# Altium PCB JTAG-批量下载V06.PcbDoc (part 4 of 13)
Units mil, origin at the board's own origin, x right, y up, seen from the top; angles counter-clockwise.
Board outline 6380 x 5290 mil, 2 copper layers (Top Layer, Bottom Layer); 190 components, 238 nets, 1050 pads, 459 vias.
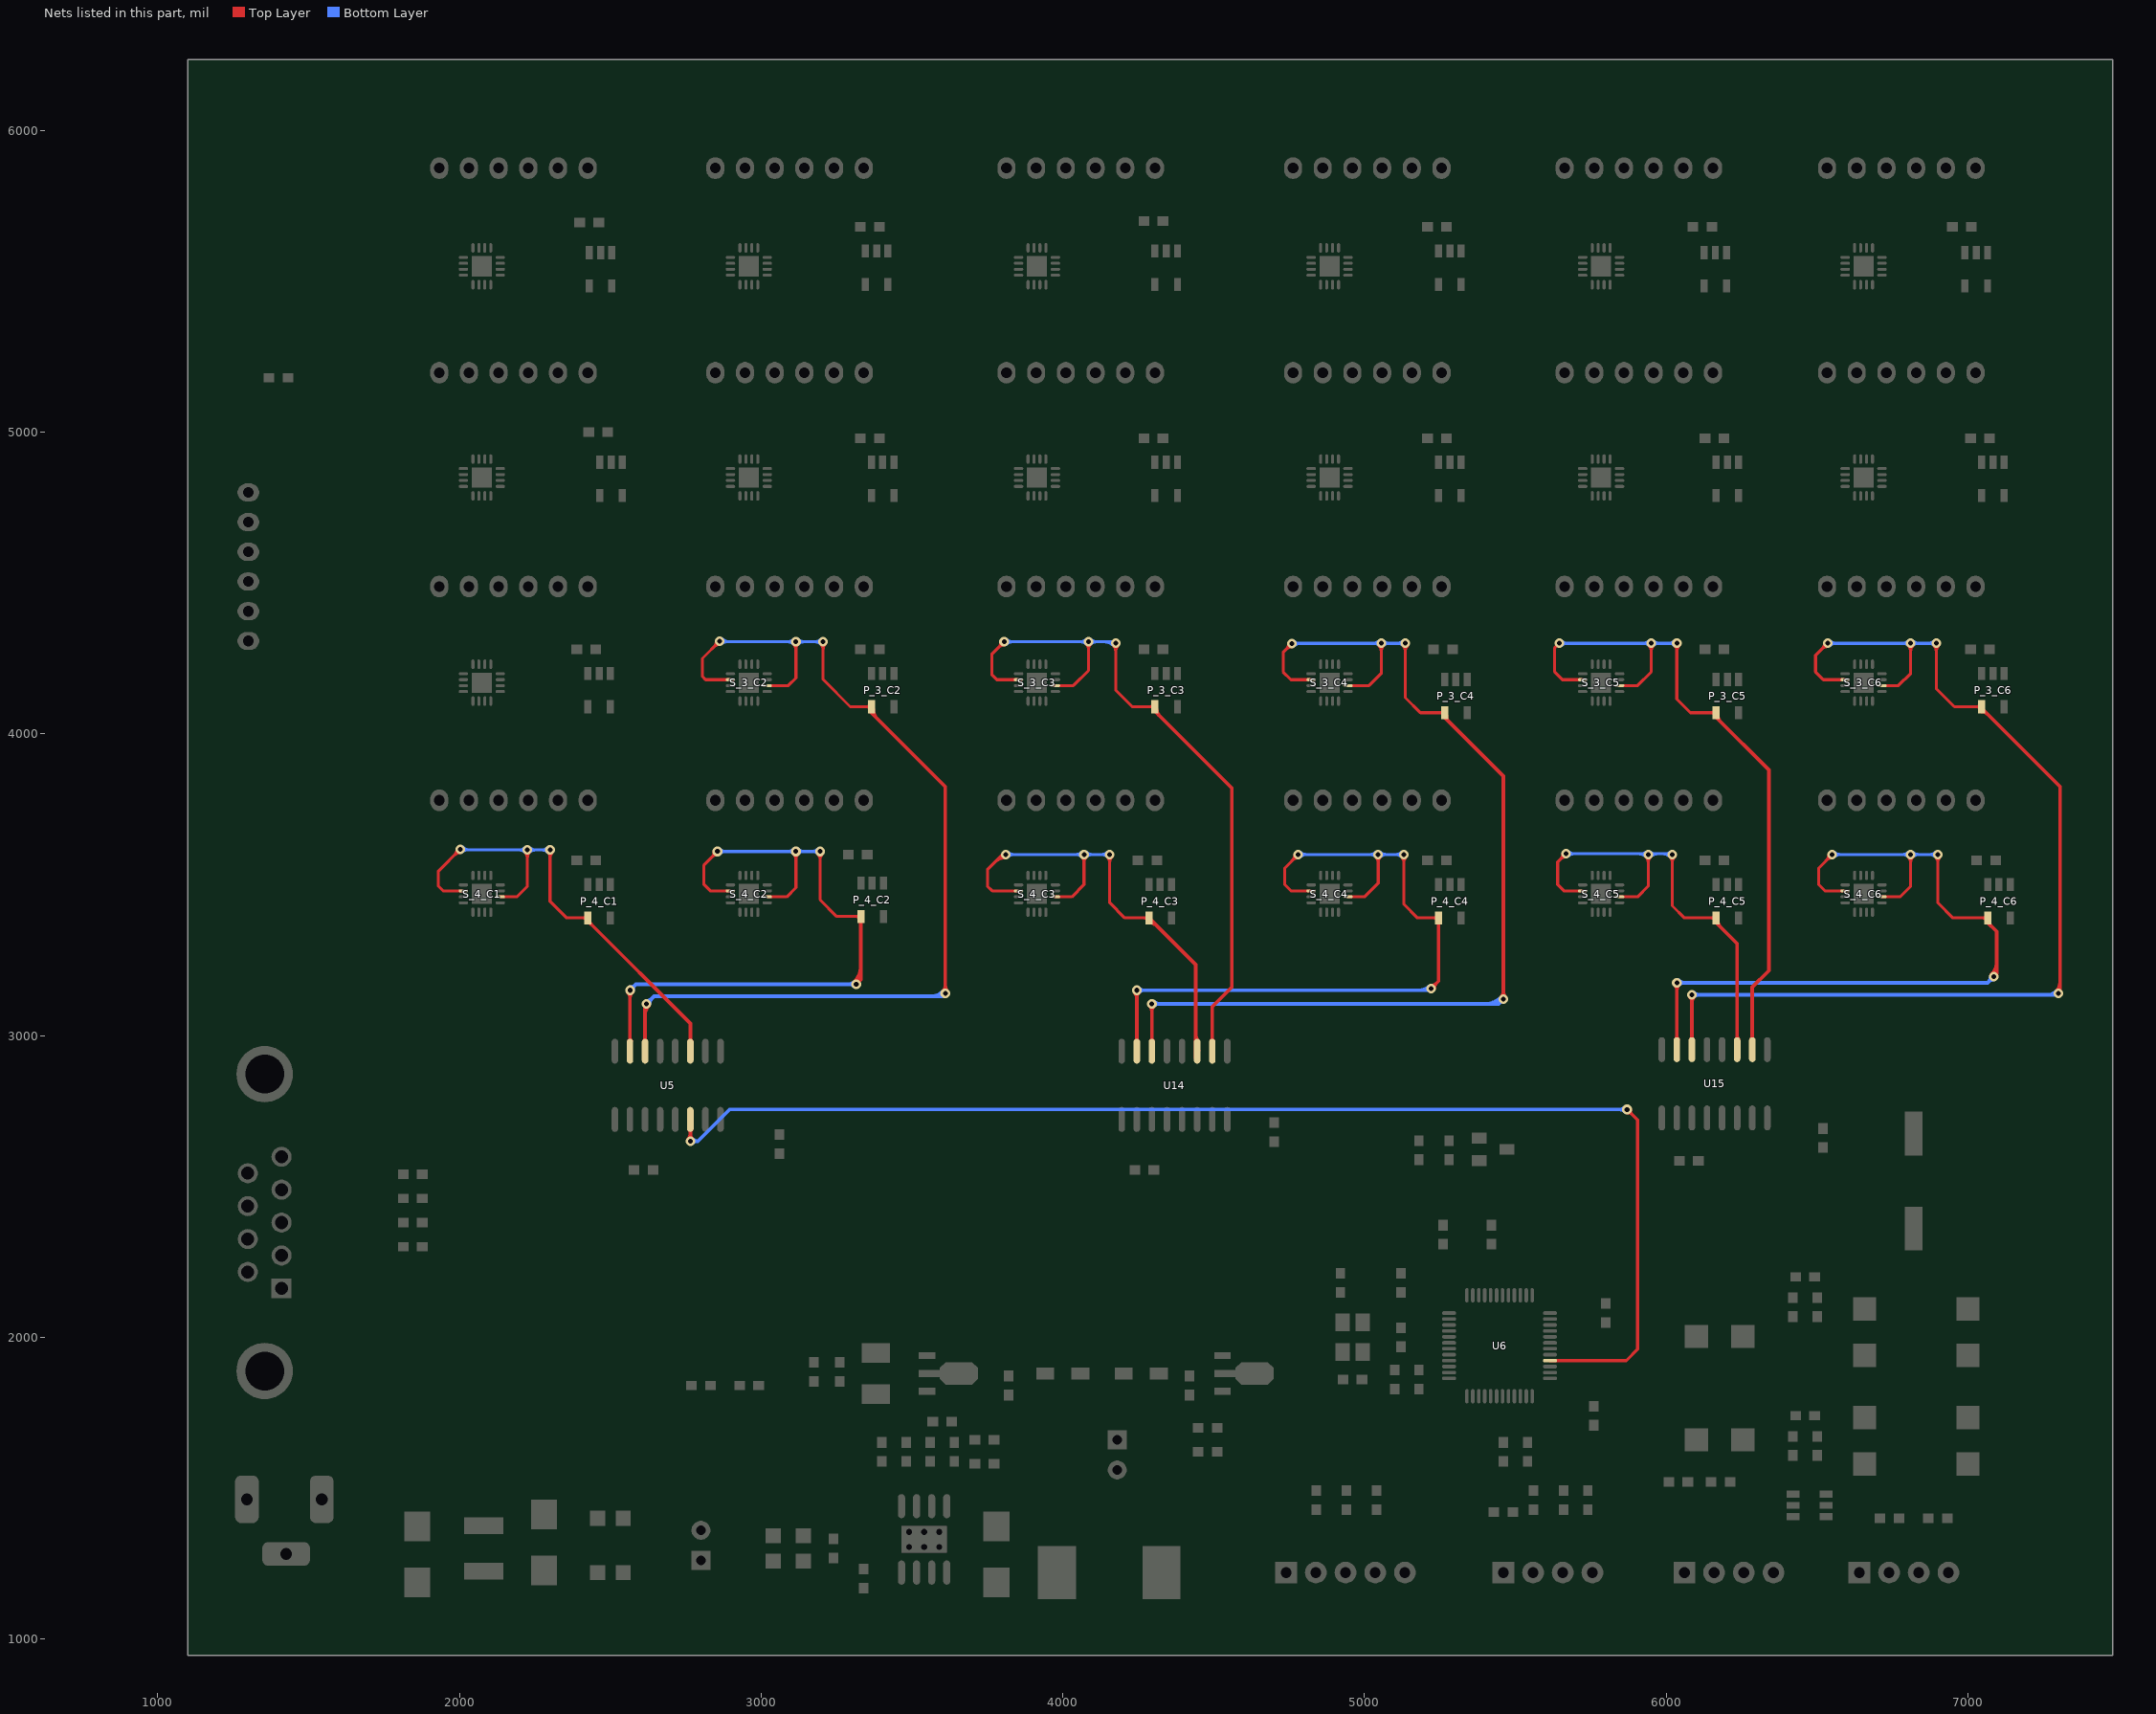
[diagram p4: the nets of this part, all layers, seen from the top]

## Via types
v1: diameter 32, hole 16, Top Layer to Bottom Layer, 347 vias
v2: diameter 50, hole 28, Top Layer to Bottom Layer, 63 vias
v3: diameter 40, hole 20, Top Layer to Bottom Layer, 49 vias

## Nets (pads, with @x,y where several pads share a name; then routed paths per layer and width w, separated by ;. In a path a pad name is that pad's centre, name@x,y a point inside that pad or via, vN(x,y) a via of type N, cw(c..) or ccw(c..) an arc to the next point about the centre after c; other vN are vias at no path point) (continued)
EN_3_C2: P_3_C2.4 S_3_C2.2 S_3_C2.10 U5.6 | length 4737.2
  Top Layer w10: v1(2862.5,4307.5) 2805,4250 2805,4190 2815.63,4179.37 S_3_C2.10@2897.95,4179.37 ; S_3_C2.2@3020,4159.69 3089.68,4159.69 3115,4185 v1(3115,4305) ; v1@3205,4300 3205,4180 3295.24,4089.76 P_3_C2.4@3365.2,4089.76 ; 2843.72,4288.72 ccw(c2824.94,4307.5) v1@2851.5,4307.5 ; 2843.72,4288.72 cw(c2862.5,4269.94) v1@2862.5,4296.5 ; 2843.72,4288.72 ccw(c2824.94,4307.5) v1@2851.5,4307.5 ; 2843.72,4288.72 cw(c2862.5,4269.94) v1@2862.5,4296.5 ; 2843.72,4288.72 ccw(c2824.94,4307.5) v1@2851.5,4307.5 ; 2843.72,4288.72 cw(c2862.5,4269.94) v1@2862.5,4296.5 ; v1@3107.22,4297.22 cw(c3088.44,4278.44) 3115,4278.44 ; v1@3107.22,4297.22 cw(c3088.44,4278.44) 3115,4278.44 ; v1@3107.22,4297.22 cw(c3088.44,4278.44) 3115,4278.44 ; 3115,4278.44 cw(c3141.56,4278.44) v1@3122.78,4297.22 ; 3115,4278.44 cw(c3141.56,4278.44) v1@3122.78,4297.22 ; 3115,4278.44 cw(c3141.56,4278.44) v1@3122.78,4297.22 ; v1@3197.22,4297.22 cw(c3178.44,4278.44) 3205,4278.44 ; v1@3197.22,4297.22 cw(c3178.44,4278.44) 3205,4278.44 ; v1@3197.22,4297.22 cw(c3178.44,4278.44) 3205,4278.44 ; 3205,4278.44 cw(c3231.56,4278.44) v1@3212.78,4297.22 ; 3205,4278.44 cw(c3231.56,4278.44) v1@3212.78,4297.22 ; 3205,4278.44 cw(c3231.56,4278.44) v1@3212.78,4297.22 ; 3348.75,4089.76 ccw(c3348.75,4106.21) P_3_C2.4@3360.38,4094.58 ; 3348.75,4089.76 cw(c3348.75,4073.32) P_3_C2.4@3360.38,4084.95 ; 3348.75,4089.76 ccw(c3348.75,4106.21) P_3_C2.4@3360.38,4094.58 ; 3348.75,4089.76 cw(c3348.75,4073.32) P_3_C2.4@3360.38,4084.95 ; 3348.75,4089.76 ccw(c3348.75,4106.21) P_3_C2.4@3360.38,4094.58 ; 3348.75,4089.76 cw(c3348.75,4073.32) P_3_C2.4@3360.38,4084.95
  Top Layer w12: U5.6@2615,2945 v1@2615,3100 ; P_3_C2.4@3365.2,4089.76 3365.2,4069.8 3610,3825 v1@3610,3129.59 ; U5.6@2611.59,2982.11 ccw(c2603.35,2990.35) 2615,2990.35 ; U5.6@2611.59,2982.11 ccw(c2603.35,2990.35) 2615,2990.35 ; U5.6@2611.59,2982.11 ccw(c2603.35,2990.35) 2615,2990.35 ; 2615,2990.35 ccw(c2626.65,2990.35) U5.6@2618.41,2982.11 ; 2615,2990.35 ccw(c2626.65,2990.35) U5.6@2618.41,2982.11 ; 2615,2990.35 ccw(c2626.65,2990.35) U5.6@2618.41,2982.11 ; 2615,3068.79 cw(c2656.21,3068.79) v1@2627.07,3097.93 ; 2615,3068.79 cw(c2656.21,3068.79) v1@2627.07,3097.93 ; 2615,3068.79 cw(c2656.21,3068.79) v1@2627.07,3097.93 ; P_3_C2.4@3371.01,4079.92 ccw(c3409.46,4079.92) 3382.27,4052.73 ; P_3_C2.4@3371.01,4079.92 ccw(c3409.46,4079.92) 3382.27,4052.73 ; P_3_C2.4@3371.01,4079.92 ccw(c3409.46,4079.92) 3382.27,4052.73 ; v1@3602.93,3147.07 ccw(c3585.86,3164.14) 3610,3164.14 ; v1@3602.93,3147.07 ccw(c3585.86,3164.14) 3610,3164.14 ; v1@3602.93,3147.07 ccw(c3585.86,3164.14) 3610,3164.14 ; 3610,3164.14 ccw(c3634.14,3164.14) v1@3617.07,3147.07 ; 3610,3164.14 ccw(c3634.14,3164.14) v1@3617.07,3147.07 ; 3610,3164.14 ccw(c3634.14,3164.14) v1@3617.07,3147.07
  Bottom Layer w10: v1@2865,4305 v1(3205,4305) ; 3088.44,4305 ccw(c3088.44,4331.56) 3107.22,4312.78 cw(c3088.44,4331.56) 3088.44,4305 ; 3088.44,4305 cw(c3088.44,4278.44) 3107.22,4297.22 ccw(c3088.44,4278.44) 3088.44,4305 ; 3141.56,4305 ccw(c3141.56,4278.44) 3122.78,4297.22 cw(c3141.56,4278.44) 3141.56,4305 ; 3141.56,4305 cw(c3141.56,4331.56) 3122.78,4312.78 ccw(c3141.56,4331.56) 3141.56,4305 ; 3178.44,4305 ccw(c3178.44,4331.56) 3197.22,4312.78 cw(c3178.44,4331.56) 3178.44,4305 ; 3178.44,4305 cw(c3178.44,4278.44) 3197.22,4297.22 ccw(c3178.44,4278.44) 3178.44,4305 ; v1@2870.28,4299.72 cw(c2883.02,4286.98) 2883.02,4305 ccw(c2883.02,4286.98) v1@2870.28,4299.72 ; v1@2870.28,4315.28 ccw(c2895.09,4340.09) 2895.09,4305 cw(c2895.09,4340.09) v1@2870.28,4315.28
  Bottom Layer w12: v1(2620,3105) 2645,3130 3600,3130 v1(3610,3140) ; v1@2620,3115 ccw(c2620,3139.14) 2637.07,3122.07 ; v1@2620,3115 ccw(c2620,3139.14) 2637.07,3122.07 ; v1@2620,3115 ccw(c2620,3139.14) 2637.07,3122.07 ; v1@2630,3105 cw(c2654.14,3105) 2637.07,3122.07 ; v1@2630,3105 cw(c2654.14,3105) 2637.07,3122.07 ; v1@2630,3105 cw(c2654.14,3105) 2637.07,3122.07 ; 3561.72,3130 ccw(c3561.72,3188.28) 3602.93,3147.07 cw(c3561.72,3188.28) 3561.72,3130 ; 3590.69,3130 ccw(c3590.69,3159.31) 3611.41,3138.59 cw(c3590.69,3159.31) 3590.69,3130
EN_3_C3: P_3_C3.4 S_3_C3.2 S_3_C3.10 U14.2 | length 3338.3
  Top Layer w10: v1(3805.11,4305.11) 3765,4265 3765,4195 3780.63,4179.37 S_3_C3.10@3852.95,4179.37 ; S_3_C3.2@3975,4159.69 4034.68,4159.69 4085,4210 v1(4085,4305) ; v1(4175,4300) 4175,4145 4230.24,4089.76 P_3_C3.4@4305.2,4089.76 ; 3786.33,4286.33 ccw(c3767.56,4305.11) v1@3794.11,4305.11 ; 3786.33,4286.33 cw(c3805.11,4267.56) v1@3805.11,4294.11 ; 3786.33,4286.33 ccw(c3767.56,4305.11) v1@3794.11,4305.11 ; 3786.33,4286.33 cw(c3805.11,4267.56) v1@3805.11,4294.11 ; 3786.33,4286.33 ccw(c3767.56,4305.11) v1@3794.11,4305.11 ; 3786.33,4286.33 cw(c3805.11,4267.56) v1@3805.11,4294.11 ; v1@4077.22,4297.22 cw(c4058.44,4278.44) 4085,4278.44 ; v1@4077.22,4297.22 cw(c4058.44,4278.44) 4085,4278.44 ; v1@4077.22,4297.22 cw(c4058.44,4278.44) 4085,4278.44 ; 4085,4278.44 cw(c4111.56,4278.44) v1@4092.78,4297.22 ; 4085,4278.44 cw(c4111.56,4278.44) v1@4092.78,4297.22 ; 4085,4278.44 cw(c4111.56,4278.44) v1@4092.78,4297.22 ; v1@4167.22,4292.22 cw(c4148.44,4273.44) 4175,4273.44 ; v1@4167.22,4292.22 cw(c4148.44,4273.44) 4175,4273.44 ; v1@4167.22,4292.22 cw(c4148.44,4273.44) 4175,4273.44 ; 4175,4273.44 cw(c4201.56,4273.44) v1@4182.78,4292.22 ; 4175,4273.44 cw(c4201.56,4273.44) v1@4182.78,4292.22 ; 4175,4273.44 cw(c4201.56,4273.44) v1@4182.78,4292.22 ; 4288.75,4089.76 ccw(c4288.75,4106.21) P_3_C3.4@4300.38,4094.58 ; 4288.75,4089.76 cw(c4288.75,4073.32) P_3_C3.4@4300.38,4084.95 ; 4288.75,4089.76 ccw(c4288.75,4106.21) P_3_C3.4@4300.38,4094.58 ; 4288.75,4089.76 cw(c4288.75,4073.32) P_3_C3.4@4300.38,4084.95 ; 4288.75,4089.76 ccw(c4288.75,4106.21) P_3_C3.4@4300.38,4094.58 ; 4288.75,4089.76 cw(c4288.75,4073.32) P_3_C3.4@4300.38,4084.95
  Top Layer w12: P_3_C3.4@4305.2,4089.76 4305.2,4074.8 4560,3820 4560,3160 4495,3095 U14.2@4495,2935 ; P_3_C3.4@4311.01,4079.92 ccw(c4337.39,4079.92) 4318.74,4061.26 ; P_3_C3.4@4311.01,4079.92 ccw(c4337.39,4079.92) 4318.74,4061.26 ; P_3_C3.4@4311.01,4079.92 ccw(c4337.39,4079.92) 4318.74,4061.26 ; U14.2@4491.59,2982.11 ccw(c4483.35,2990.35) 4495,2990.35 ; U14.2@4491.59,2982.11 ccw(c4483.35,2990.35) 4495,2990.35 ; U14.2@4491.59,2982.11 ccw(c4483.35,2990.35) 4495,2990.35 ; 4495,2990.35 ccw(c4506.65,2990.35) U14.2@4498.41,2982.11 ; 4495,2990.35 ccw(c4506.65,2990.35) U14.2@4498.41,2982.11 ; 4495,2990.35 ccw(c4506.65,2990.35) U14.2@4498.41,2982.11
  Bottom Layer w10: v1(3805.11,4305.11) 4169.89,4305.11 v1(4175,4300) ; 3831.67,4305.11 ccw(c3831.67,4278.56) 3812.89,4297.33 cw(c3831.67,4278.56) 3831.67,4305.11 ; 3831.67,4305.11 cw(c3831.67,4331.67) 3812.89,4312.89 ccw(c3831.67,4331.67) 3831.67,4305.11 ; 4136.1,4305.11 cw(c4136.1,4261.1) v1@4167.22,4292.22 ; 4136.1,4305.11 cw(c4136.1,4261.1) v1@4167.22,4292.22 ; 4136.1,4305.11 cw(c4136.1,4261.1) v1@4167.22,4292.22 ; 4058.17,4305.11 cw(c4058.17,4278.17) 4077.22,4297.22 ccw(c4058.17,4278.17) 4058.17,4305.11 ; 4058.72,4305.11 ccw(c4058.72,4331.28) 4077.22,4312.78 cw(c4058.72,4331.28) 4058.72,4305.11 ; v1@4092.78,4297.22 cw(c4111.83,4278.17) 4111.83,4305.11 ccw(c4111.83,4278.17) v1@4092.78,4297.22 ; v1@4092.78,4312.78 ccw(c4111.28,4331.28) 4111.28,4305.11 cw(c4111.28,4331.28) v1@4092.78,4312.78
EN_3_C4: P_3_C4.4 S_3_C4.2 S_3_C4.10 U14.6 | length 4980.1
  Top Layer w10: v1(4758.91,4298.91) 4730,4270 4730,4205 4755.63,4179.37 S_3_C4.10@4822.95,4179.37 ; S_3_C4.2@4945,4159.69 5014.69,4159.69 5055,4200 v1(5055,4300) ; v1(5135,4300) 5135,4120 5185.24,4069.76 P_3_C4.4@5265.2,4069.76 ; 4740.13,4280.13 ccw(c4721.35,4298.91) v1@4747.91,4298.91 ; 4740.13,4280.13 cw(c4758.91,4261.35) v1@4758.91,4287.91 ; 4740.13,4280.13 ccw(c4721.35,4298.91) v1@4747.91,4298.91 ; 4740.13,4280.13 cw(c4758.91,4261.35) v1@4758.91,4287.91 ; 4740.13,4280.13 ccw(c4721.35,4298.91) v1@4747.91,4298.91 ; 4740.13,4280.13 cw(c4758.91,4261.35) v1@4758.91,4287.91 ; v1@5047.22,4292.22 cw(c5028.44,4273.44) 5055,4273.44 ; v1@5047.22,4292.22 cw(c5028.44,4273.44) 5055,4273.44 ; v1@5047.22,4292.22 cw(c5028.44,4273.44) 5055,4273.44 ; 5055,4273.44 cw(c5081.56,4273.44) v1@5062.78,4292.22 ; 5055,4273.44 cw(c5081.56,4273.44) v1@5062.78,4292.22 ; 5055,4273.44 cw(c5081.56,4273.44) v1@5062.78,4292.22 ; v1@5127.22,4292.22 cw(c5108.44,4273.44) 5135,4273.44 ; v1@5127.22,4292.22 cw(c5108.44,4273.44) 5135,4273.44 ; v1@5127.22,4292.22 cw(c5108.44,4273.44) 5135,4273.44 ; 5135,4273.44 cw(c5161.56,4273.44) v1@5142.78,4292.22 ; 5135,4273.44 cw(c5161.56,4273.44) v1@5142.78,4292.22 ; 5135,4273.44 cw(c5161.56,4273.44) v1@5142.78,4292.22 ; 5248.75,4069.76 ccw(c5248.75,4086.21) P_3_C4.4@5260.38,4074.58 ; 5248.75,4069.76 cw(c5248.75,4053.32) P_3_C4.4@5260.38,4064.95 ; 5248.75,4069.76 ccw(c5248.75,4086.21) P_3_C4.4@5260.38,4074.58 ; 5248.75,4069.76 cw(c5248.75,4053.32) P_3_C4.4@5260.38,4064.95 ; 5248.75,4069.76 ccw(c5248.75,4086.21) P_3_C4.4@5260.38,4074.58 ; 5248.75,4069.76 cw(c5248.75,4053.32) P_3_C4.4@5260.38,4064.95
  Top Layer w12: U14.6@4295,2948.19 v1(4295,3105) ; P_3_C4.4@5265.2,4069.76 5265.2,4054.8 5460,3860 v1(5460,3120) ; v1@4287.93,3097.93 cw(c4270.86,3080.86) 4295,3080.86 ; v1@4287.93,3097.93 cw(c4270.86,3080.86) 4295,3080.86 ; v1@4287.93,3097.93 cw(c4270.86,3080.86) 4295,3080.86 ; U14.6@4291.59,2982.11 ccw(c4283.35,2990.35) 4295,2990.35 ; U14.6@4291.59,2982.11 ccw(c4283.35,2990.35) 4295,2990.35 ; U14.6@4291.59,2982.11 ccw(c4283.35,2990.35) 4295,2990.35 ; 4295,2990.35 ccw(c4306.65,2990.35) U14.6@4298.41,2982.11 ; 4295,2990.35 ccw(c4306.65,2990.35) U14.6@4298.41,2982.11 ; 4295,2990.35 ccw(c4306.65,2990.35) U14.6@4298.41,2982.11 ; 4295,3080.86 cw(c4319.14,3080.86) v1@4302.07,3097.93 ; 4295,3080.86 cw(c4319.14,3080.86) v1@4302.07,3097.93 ; 4295,3080.86 cw(c4319.14,3080.86) v1@4302.07,3097.93 ; P_3_C4.4@5271.01,4059.92 ccw(c5297.39,4059.92) 5278.74,4041.26 ; P_3_C4.4@5271.01,4059.92 ccw(c5297.39,4059.92) 5278.74,4041.26 ; P_3_C4.4@5271.01,4059.92 ccw(c5297.39,4059.92) 5278.74,4041.26 ; v1@5452.93,3127.07 ccw(c5435.86,3144.14) 5460,3144.14 ; v1@5452.93,3127.07 ccw(c5435.86,3144.14) 5460,3144.14 ; v1@5452.93,3127.07 ccw(c5435.86,3144.14) 5460,3144.14 ; 5460,3144.14 ccw(c5484.14,3144.14) v1@5467.07,3127.07 ; 5460,3144.14 ccw(c5484.14,3144.14) v1@5467.07,3127.07 ; 5460,3144.14 ccw(c5484.14,3144.14) v1@5467.07,3127.07
  Bottom Layer w10: v1(4758.91,4298.91) 4760,4300 v1(5135,4300) ; v1@4766.69,4291.13 cw(c4788.1,4269.72) 4788.1,4300 ; v1@4766.69,4291.13 cw(c4788.1,4269.72) 4788.1,4300 ; v1@4766.69,4291.13 cw(c4788.1,4269.72) 4788.1,4300 ; v1@4766.69,4306.69 ccw(c4782.83,4322.83) 4782.83,4300 ; v1@4766.69,4306.69 ccw(c4782.83,4322.83) 4782.83,4300 ; v1@4766.69,4306.69 ccw(c4782.83,4322.83) 4782.83,4300 ; 5028.44,4300 ccw(c5028.44,4326.56) 5047.22,4307.78 cw(c5028.44,4326.56) 5028.44,4300 ; 5028.44,4300 cw(c5028.44,4273.44) 5047.22,4292.22 ccw(c5028.44,4273.44) 5028.44,4300 ; 5081.56,4300 ccw(c5081.56,4273.44) 5062.78,4292.22 cw(c5081.56,4273.44) 5081.56,4300 ; 5081.56,4300 cw(c5081.56,4326.56) 5062.78,4307.78 ccw(c5081.56,4326.56) 5081.56,4300 ; 5108.44,4300 ccw(c5108.44,4326.56) 5127.22,4307.78 cw(c5108.44,4326.56) 5108.44,4300 ; 5108.44,4300 cw(c5108.44,4273.44) 5127.22,4292.22 ccw(c5108.44,4273.44) 5108.44,4300
  Bottom Layer w12: v1(4295,3105) 5445,3105 v1(5460,3120) ; v1@4302.07,3097.93 cw(c4319.14,3080.86) 4319.14,3105 ; v1@4302.07,3097.93 cw(c4319.14,3080.86) 4319.14,3105 ; v1@4302.07,3097.93 cw(c4319.14,3080.86) 4319.14,3105 ; v1@4302.07,3112.07 ccw(c4319.14,3129.14) 4319.14,3105 ; v1@4302.07,3112.07 ccw(c4319.14,3129.14) 4319.14,3105 ; v1@4302.07,3112.07 ccw(c4319.14,3129.14) 4319.14,3105 ; 5399.64,3105 ccw(c5399.64,3180.36) 5452.93,3127.07 cw(c5399.64,3180.36) 5399.64,3105 ; 5428.62,3105 ccw(c5428.62,3151.38) 5461.41,3118.59 cw(c5428.62,3151.38) 5428.62,3105
EN_3_C5: P_3_C5.4 S_3_C5.2 S_3_C5.10 U15.2 | length 3146
  Top Layer w10: v1(5645,4300) 5630,4285 5630,4205 5655.63,4179.37 S_3_C5.10@5722.95,4179.37 ; S_3_C5.2@5845,4159.69 5904.69,4159.69 5950,4205 v1(5950,4300) ; v1(6035,4300) 6035,4115 6080.24,4069.76 P_3_C5.4@6165.2,4069.76 ; v1@5942.22,4292.22 cw(c5923.44,4273.44) 5950,4273.44 ; v1@5942.22,4292.22 cw(c5923.44,4273.44) 5950,4273.44 ; v1@5942.22,4292.22 cw(c5923.44,4273.44) 5950,4273.44 ; 5950,4273.44 cw(c5976.56,4273.44) v1@5957.78,4292.22 ; 5950,4273.44 cw(c5976.56,4273.44) v1@5957.78,4292.22 ; 5950,4273.44 cw(c5976.56,4273.44) v1@5957.78,4292.22 ; v1@6027.22,4292.22 cw(c6008.44,4273.44) 6035,4273.44 ; v1@6027.22,4292.22 cw(c6008.44,4273.44) 6035,4273.44 ; v1@6027.22,4292.22 cw(c6008.44,4273.44) 6035,4273.44 ; 6035,4273.44 cw(c6061.56,4273.44) v1@6042.78,4292.22 ; 6035,4273.44 cw(c6061.56,4273.44) v1@6042.78,4292.22 ; 6035,4273.44 cw(c6061.56,4273.44) v1@6042.78,4292.22 ; 6148.75,4069.76 ccw(c6148.75,4086.21) P_3_C5.4@6160.38,4074.58 ; 6148.75,4069.76 cw(c6148.75,4053.32) P_3_C5.4@6160.38,4064.95 ; 6148.75,4069.76 ccw(c6148.75,4086.21) P_3_C5.4@6160.38,4074.58 ; 6148.75,4069.76 cw(c6148.75,4053.32) P_3_C5.4@6160.38,4064.95 ; 6148.75,4069.76 ccw(c6148.75,4086.21) P_3_C5.4@6160.38,4074.58 ; 6148.75,4069.76 cw(c6148.75,4053.32) P_3_C5.4@6160.38,4064.95
  Top Layer w12: P_3_C5.4@6165.2,4069.76 6165.2,4054.8 6340,3880 6340,3215 6285,3160 U15.2@6285,2945 ; P_3_C5.4@6171.01,4059.92 ccw(c6197.39,4059.92) 6178.74,4041.26 ; P_3_C5.4@6171.01,4059.92 ccw(c6197.39,4059.92) 6178.74,4041.26 ; P_3_C5.4@6171.01,4059.92 ccw(c6197.39,4059.92) 6178.74,4041.26 ; U15.2@6281.59,2987.11 ccw(c6273.35,2995.35) 6285,2995.35 ; U15.2@6281.59,2987.11 ccw(c6273.35,2995.35) 6285,2995.35 ; U15.2@6281.59,2987.11 ccw(c6273.35,2995.35) 6285,2995.35 ; 6285,2995.35 ccw(c6296.65,2995.35) U15.2@6288.41,2987.11 ; 6285,2995.35 ccw(c6296.65,2995.35) U15.2@6288.41,2987.11 ; 6285,2995.35 ccw(c6296.65,2995.35) U15.2@6288.41,2987.11
  Bottom Layer w10: v1(5645,4300) v1(6035,4300) ; 5671.56,4300 ccw(c5671.56,4273.44) 5652.78,4292.22 cw(c5671.56,4273.44) 5671.56,4300 ; 5671.56,4300 cw(c5671.56,4326.56) 5652.78,4307.78 ccw(c5671.56,4326.56) 5671.56,4300 ; 5923.44,4300 ccw(c5923.44,4326.56) 5942.22,4307.78 cw(c5923.44,4326.56) 5923.44,4300 ; 5923.44,4300 cw(c5923.44,4273.44) 5942.22,4292.22 ccw(c5923.44,4273.44) 5923.44,4300 ; 5976.56,4300 ccw(c5976.56,4273.44) 5957.78,4292.22 cw(c5976.56,4273.44) 5976.56,4300 ; 5976.56,4300 cw(c5976.56,4326.56) 5957.78,4307.78 ccw(c5976.56,4326.56) 5976.56,4300 ; 6008.44,4300 ccw(c6008.44,4326.56) 6027.22,4307.78 cw(c6008.44,4326.56) 6008.44,4300 ; 6008.44,4300 cw(c6008.44,4273.44) 6027.22,4292.22 ccw(c6008.44,4273.44) 6008.44,4300
EN_3_C6: P_3_C6.4 S_3_C6.2 S_3_C6.10 U15.6 | length 4865
  Top Layer w10: v1(6535,4300) 6495,4260 6495,4205 6520.63,4179.37 S_3_C6.10@6592.95,4179.37 ; S_3_C6.2@6715,4159.69 6769.69,4159.69 6810,4200 v1(6810,4300) ; v1(6895,4300) 6895,4150 6955.24,4089.76 P_3_C6.4@7045.2,4089.76 ; 6516.22,4281.22 ccw(c6497.44,4300) v1@6524,4300 ; 6516.22,4281.22 cw(c6535,4262.44) v1@6535,4289 ; 6516.22,4281.22 ccw(c6497.44,4300) v1@6524,4300 ; 6516.22,4281.22 cw(c6535,4262.44) v1@6535,4289 ; 6516.22,4281.22 ccw(c6497.44,4300) v1@6524,4300 ; 6516.22,4281.22 cw(c6535,4262.44) v1@6535,4289 ; v1@6802.22,4292.22 cw(c6783.44,4273.44) 6810,4273.44 ; v1@6802.22,4292.22 cw(c6783.44,4273.44) 6810,4273.44 ; v1@6802.22,4292.22 cw(c6783.44,4273.44) 6810,4273.44 ; 6810,4273.44 cw(c6836.56,4273.44) v1@6817.78,4292.22 ; 6810,4273.44 cw(c6836.56,4273.44) v1@6817.78,4292.22 ; 6810,4273.44 cw(c6836.56,4273.44) v1@6817.78,4292.22 ; v1@6887.22,4292.22 cw(c6868.44,4273.44) 6895,4273.44 ; v1@6887.22,4292.22 cw(c6868.44,4273.44) 6895,4273.44 ; v1@6887.22,4292.22 cw(c6868.44,4273.44) 6895,4273.44 ; 6895,4273.44 cw(c6921.56,4273.44) v1@6902.78,4292.22 ; 6895,4273.44 cw(c6921.56,4273.44) v1@6902.78,4292.22 ; 6895,4273.44 cw(c6921.56,4273.44) v1@6902.78,4292.22 ; 7028.75,4089.76 ccw(c7028.75,4106.21) P_3_C6.4@7040.38,4094.58 ; 7028.75,4089.76 cw(c7028.75,4073.32) P_3_C6.4@7040.38,4084.95 ; 7028.75,4089.76 ccw(c7028.75,4106.21) P_3_C6.4@7040.38,4094.58 ; 7028.75,4089.76 cw(c7028.75,4073.32) P_3_C6.4@7040.38,4084.95 ; 7028.75,4089.76 ccw(c7028.75,4106.21) P_3_C6.4@7040.38,4094.58 ; 7028.75,4089.76 cw(c7028.75,4073.32) P_3_C6.4@7040.38,4084.95
  Top Layer w12: U15.6@6085,2953.19 v1(6085,3135) ; P_3_C6.4@7045.2,4089.76 7045.2,4084.8 7305,3825 v1@7305,3140 ; v1@6077.93,3127.93 cw(c6060.86,3110.86) 6085,3110.86 ; v1@6077.93,3127.93 cw(c6060.86,3110.86) 6085,3110.86 ; v1@6077.93,3127.93 cw(c6060.86,3110.86) 6085,3110.86 ; U15.6@6081.59,2987.11 ccw(c6073.35,2995.35) 6085,2995.35 ; U15.6@6081.59,2987.11 ccw(c6073.35,2995.35) 6085,2995.35 ; U15.6@6081.59,2987.11 ccw(c6073.35,2995.35) 6085,2995.35 ; 6085,2995.35 ccw(c6096.65,2995.35) U15.6@6088.41,2987.11 ; 6085,2995.35 ccw(c6096.65,2995.35) U15.6@6088.41,2987.11 ; 6085,2995.35 ccw(c6096.65,2995.35) U15.6@6088.41,2987.11 ; 6085,3110.86 cw(c6109.14,3110.86) v1@6092.07,3127.93 ; 6085,3110.86 cw(c6109.14,3110.86) v1@6092.07,3127.93 ; 6085,3110.86 cw(c6109.14,3110.86) v1@6092.07,3127.93 ; P_3_C6.4@7045.2,4074.11 cw(c7045.2,4048.3) 7063.45,4066.55 ; P_3_C6.4@7045.2,4074.11 cw(c7045.2,4048.3) 7063.45,4066.55 ; P_3_C6.4@7045.2,4074.11 cw(c7045.2,4048.3) 7063.45,4066.55 ; v1@7292.93,3147.07 ccw(c7263.79,3176.21) 7305,3176.21 ; v1@7292.93,3147.07 ccw(c7263.79,3176.21) 7305,3176.21 ; v1@7292.93,3147.07 ccw(c7263.79,3176.21) 7305,3176.21
  Bottom Layer w10: v1(6535,4300) v1(6895,4300) ; 6561.56,4300 ccw(c6561.56,4273.44) 6542.78,4292.22 cw(c6561.56,4273.44) 6561.56,4300 ; 6561.56,4300 cw(c6561.56,4326.56) 6542.78,4307.78 ccw(c6561.56,4326.56) 6561.56,4300 ; 6783.44,4300 ccw(c6783.44,4326.56) 6802.22,4307.78 cw(c6783.44,4326.56) 6783.44,4300 ; 6783.44,4300 cw(c6783.44,4273.44) 6802.22,4292.22 ccw(c6783.44,4273.44) 6783.44,4300 ; 6836.56,4300 ccw(c6836.56,4273.44) 6817.78,4292.22 cw(c6836.56,4273.44) 6836.56,4300 ; 6836.56,4300 cw(c6836.56,4326.56) 6817.78,4307.78 ccw(c6836.56,4326.56) 6836.56,4300 ; 6868.44,4300 ccw(c6868.44,4326.56) 6887.22,4307.78 cw(c6868.44,4326.56) 6868.44,4300 ; 6868.44,4300 cw(c6868.44,4273.44) 6887.22,4292.22 ccw(c6868.44,4273.44) 6868.44,4300
  Bottom Layer w12: v1(6085,3135) 7295,3135 v1(7300,3140) ; v1@6092.07,3127.93 cw(c6109.14,3110.86) 6109.14,3135 ; v1@6092.07,3127.93 cw(c6109.14,3110.86) 6109.14,3135 ; v1@6092.07,3127.93 cw(c6109.14,3110.86) 6109.14,3135 ; v1@6092.07,3142.07 ccw(c6109.14,3159.14) 6109.14,3135 ; v1@6092.07,3142.07 ccw(c6109.14,3159.14) 6109.14,3135 ; v1@6092.07,3142.07 ccw(c6109.14,3159.14) 6109.14,3135 ; 7263.79,3135 ccw(c7263.79,3176.21) 7292.93,3147.07 cw(c7263.79,3176.21) 7263.79,3135